# Altium PCB PCB.PcbDoc (part 1 of 2)
Units mm, origin at the board's own origin, x right, y up, seen from the top; angles counter-clockwise.
Board outline 112.5 x 122.5 mm, 4 copper layers (Top Layer, Int1 (GND), Int2 (PWR), Bottom Layer), stack 1.369 mm thick; 231 components, 138 nets, 712 pads, 193 vias.
Unrouted connection lines stored in the file: 145.
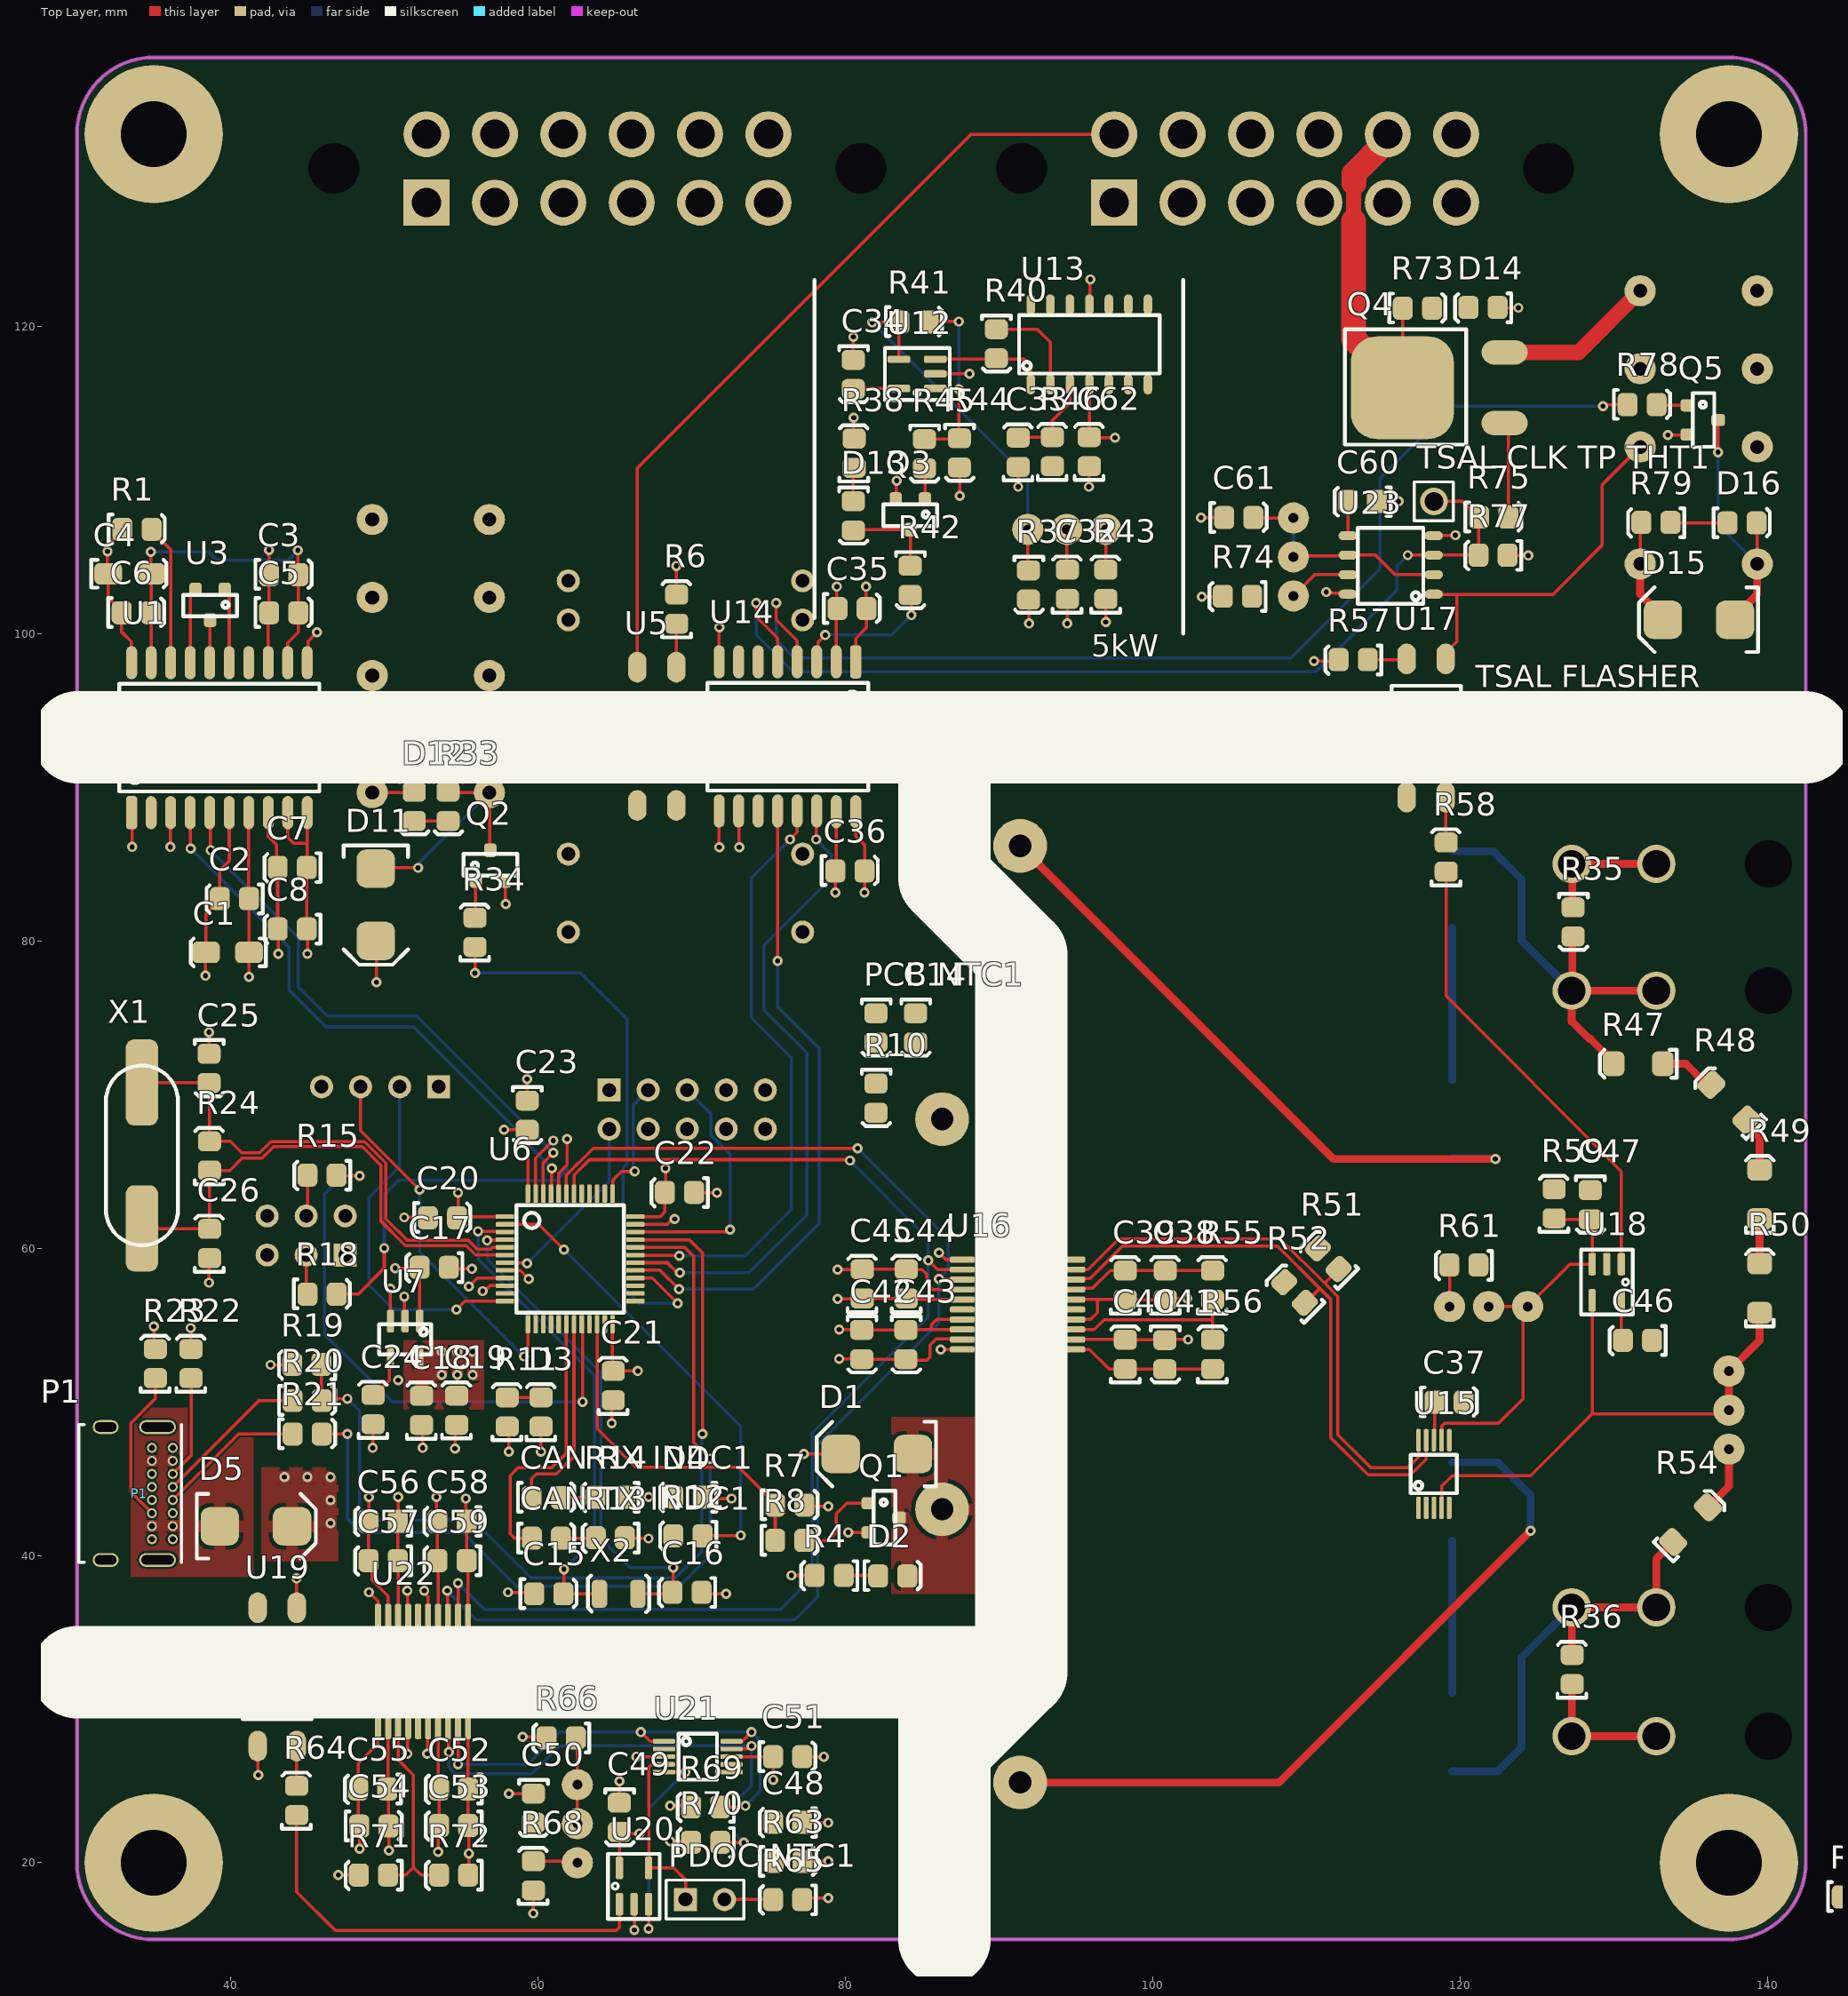
[diagram p0: Top Layer view]
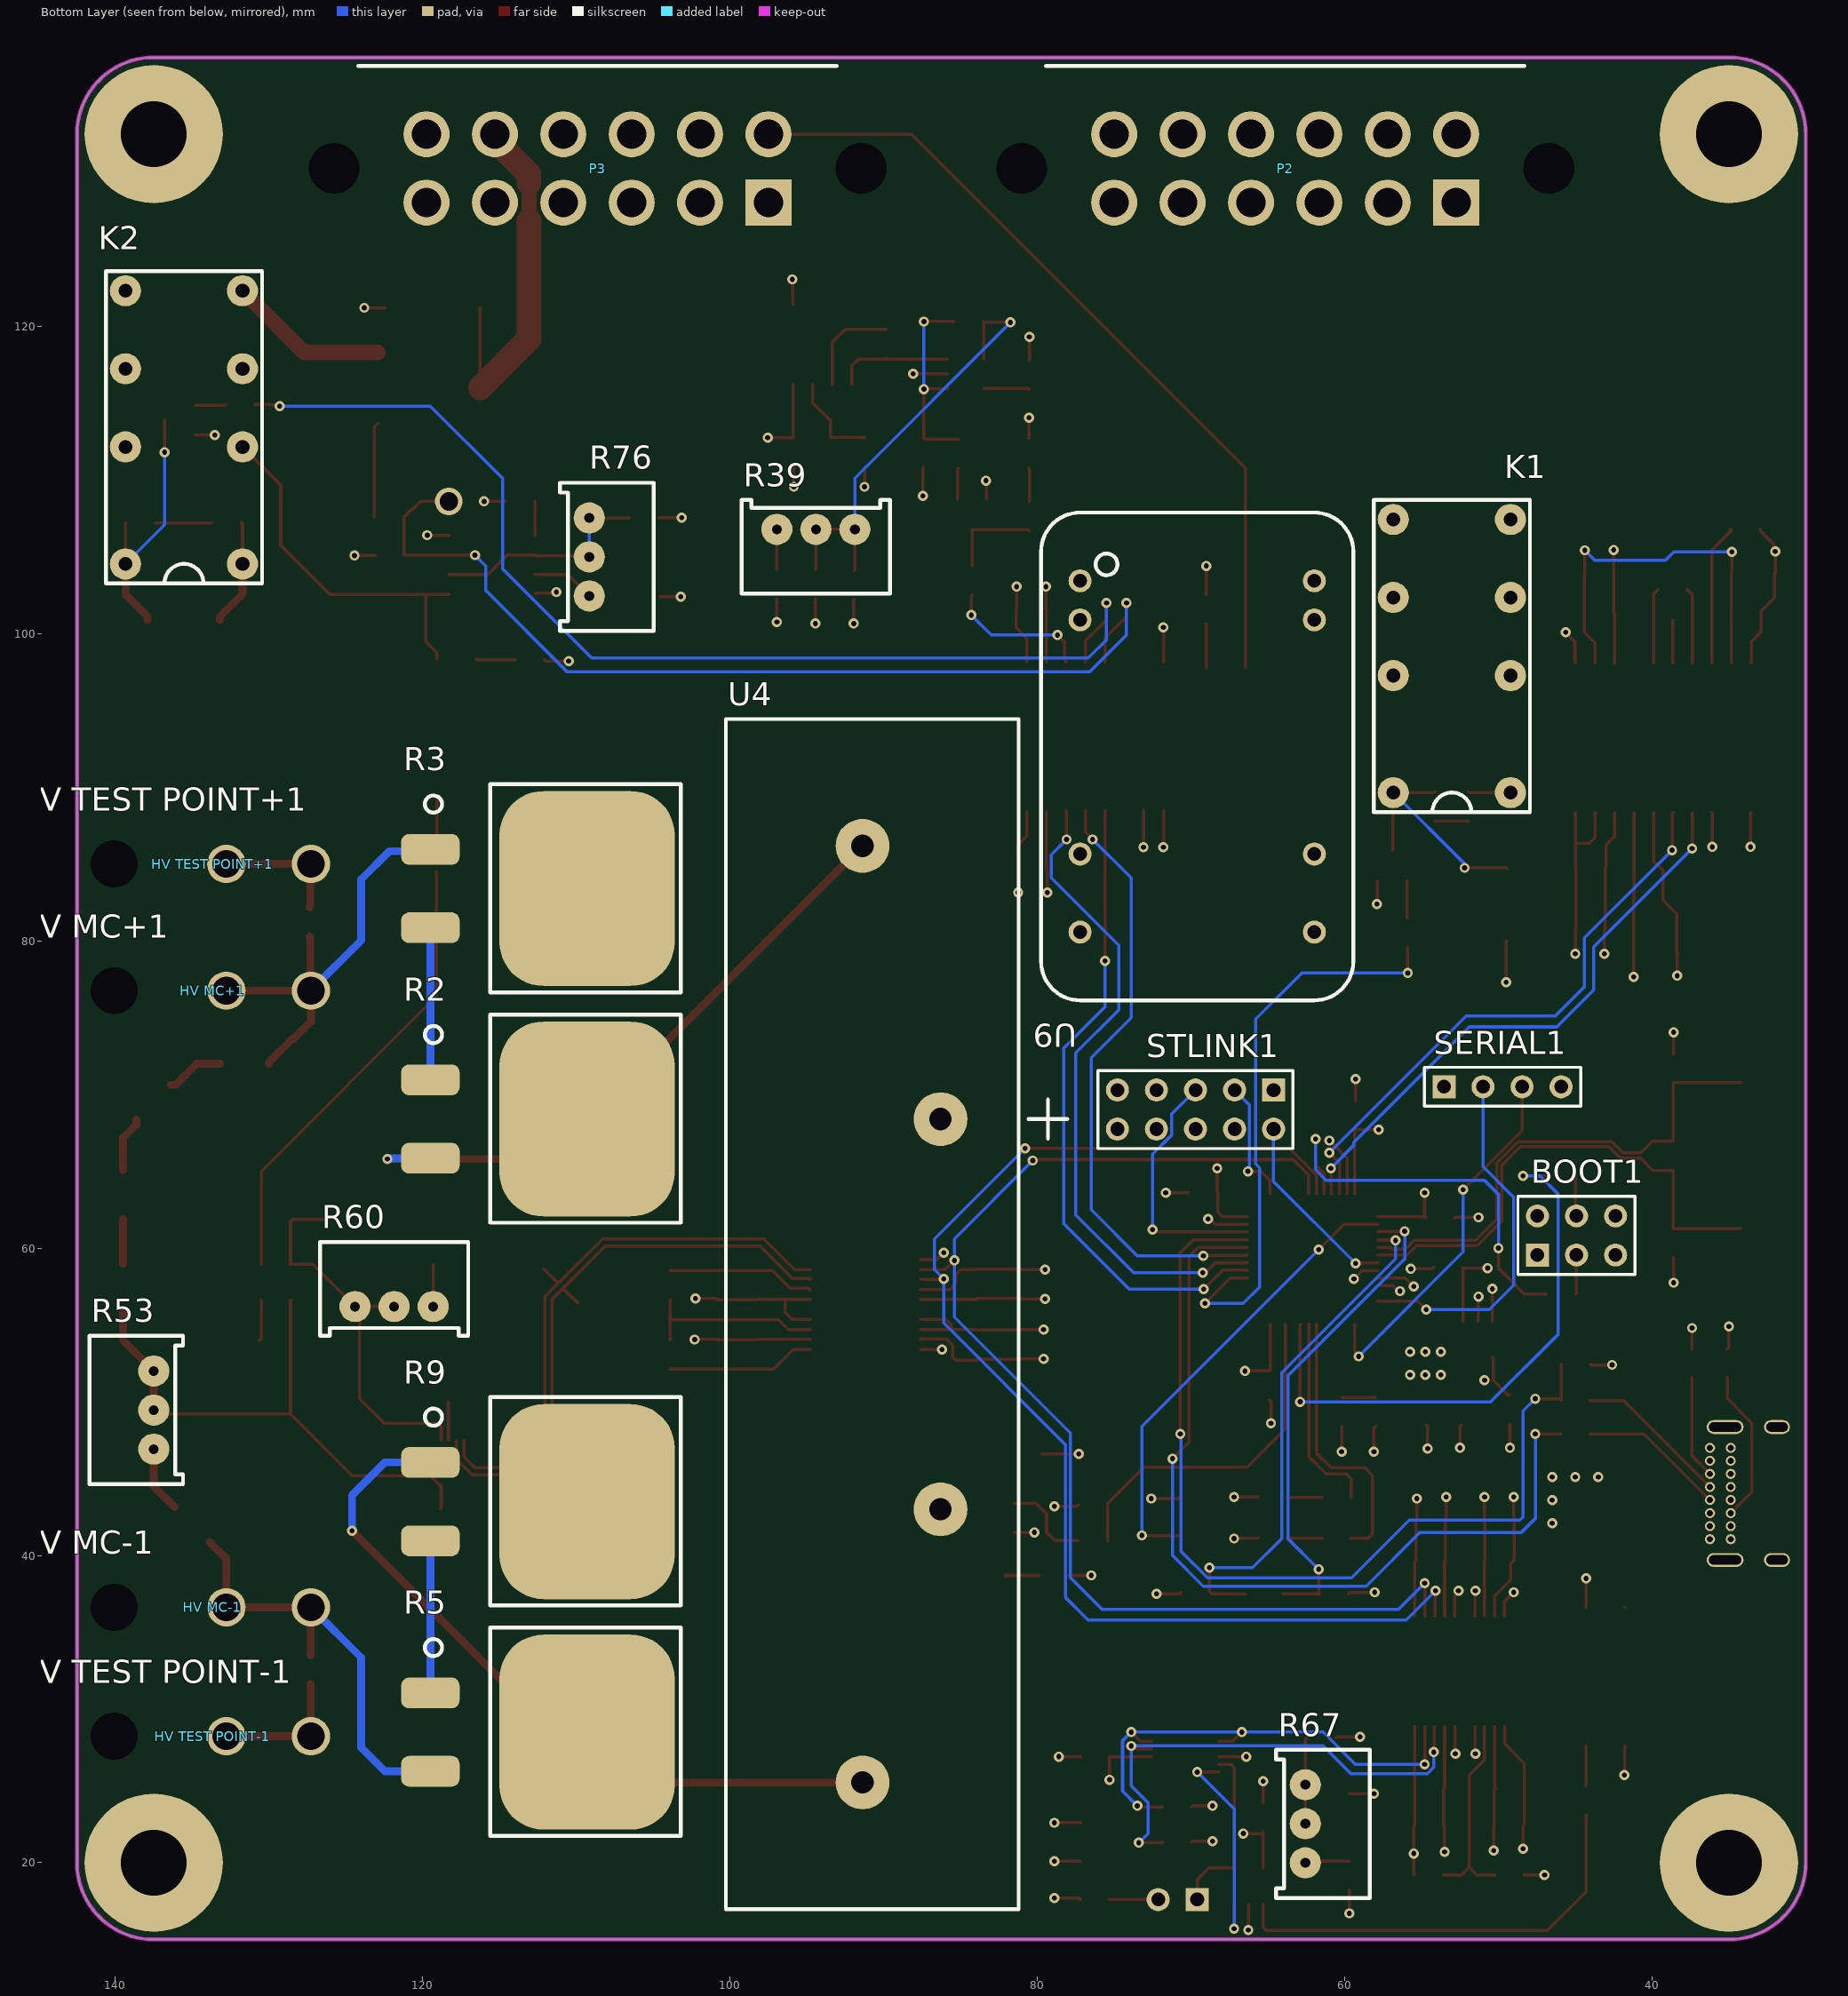
[diagram p1: Bottom Layer view, seen from below]
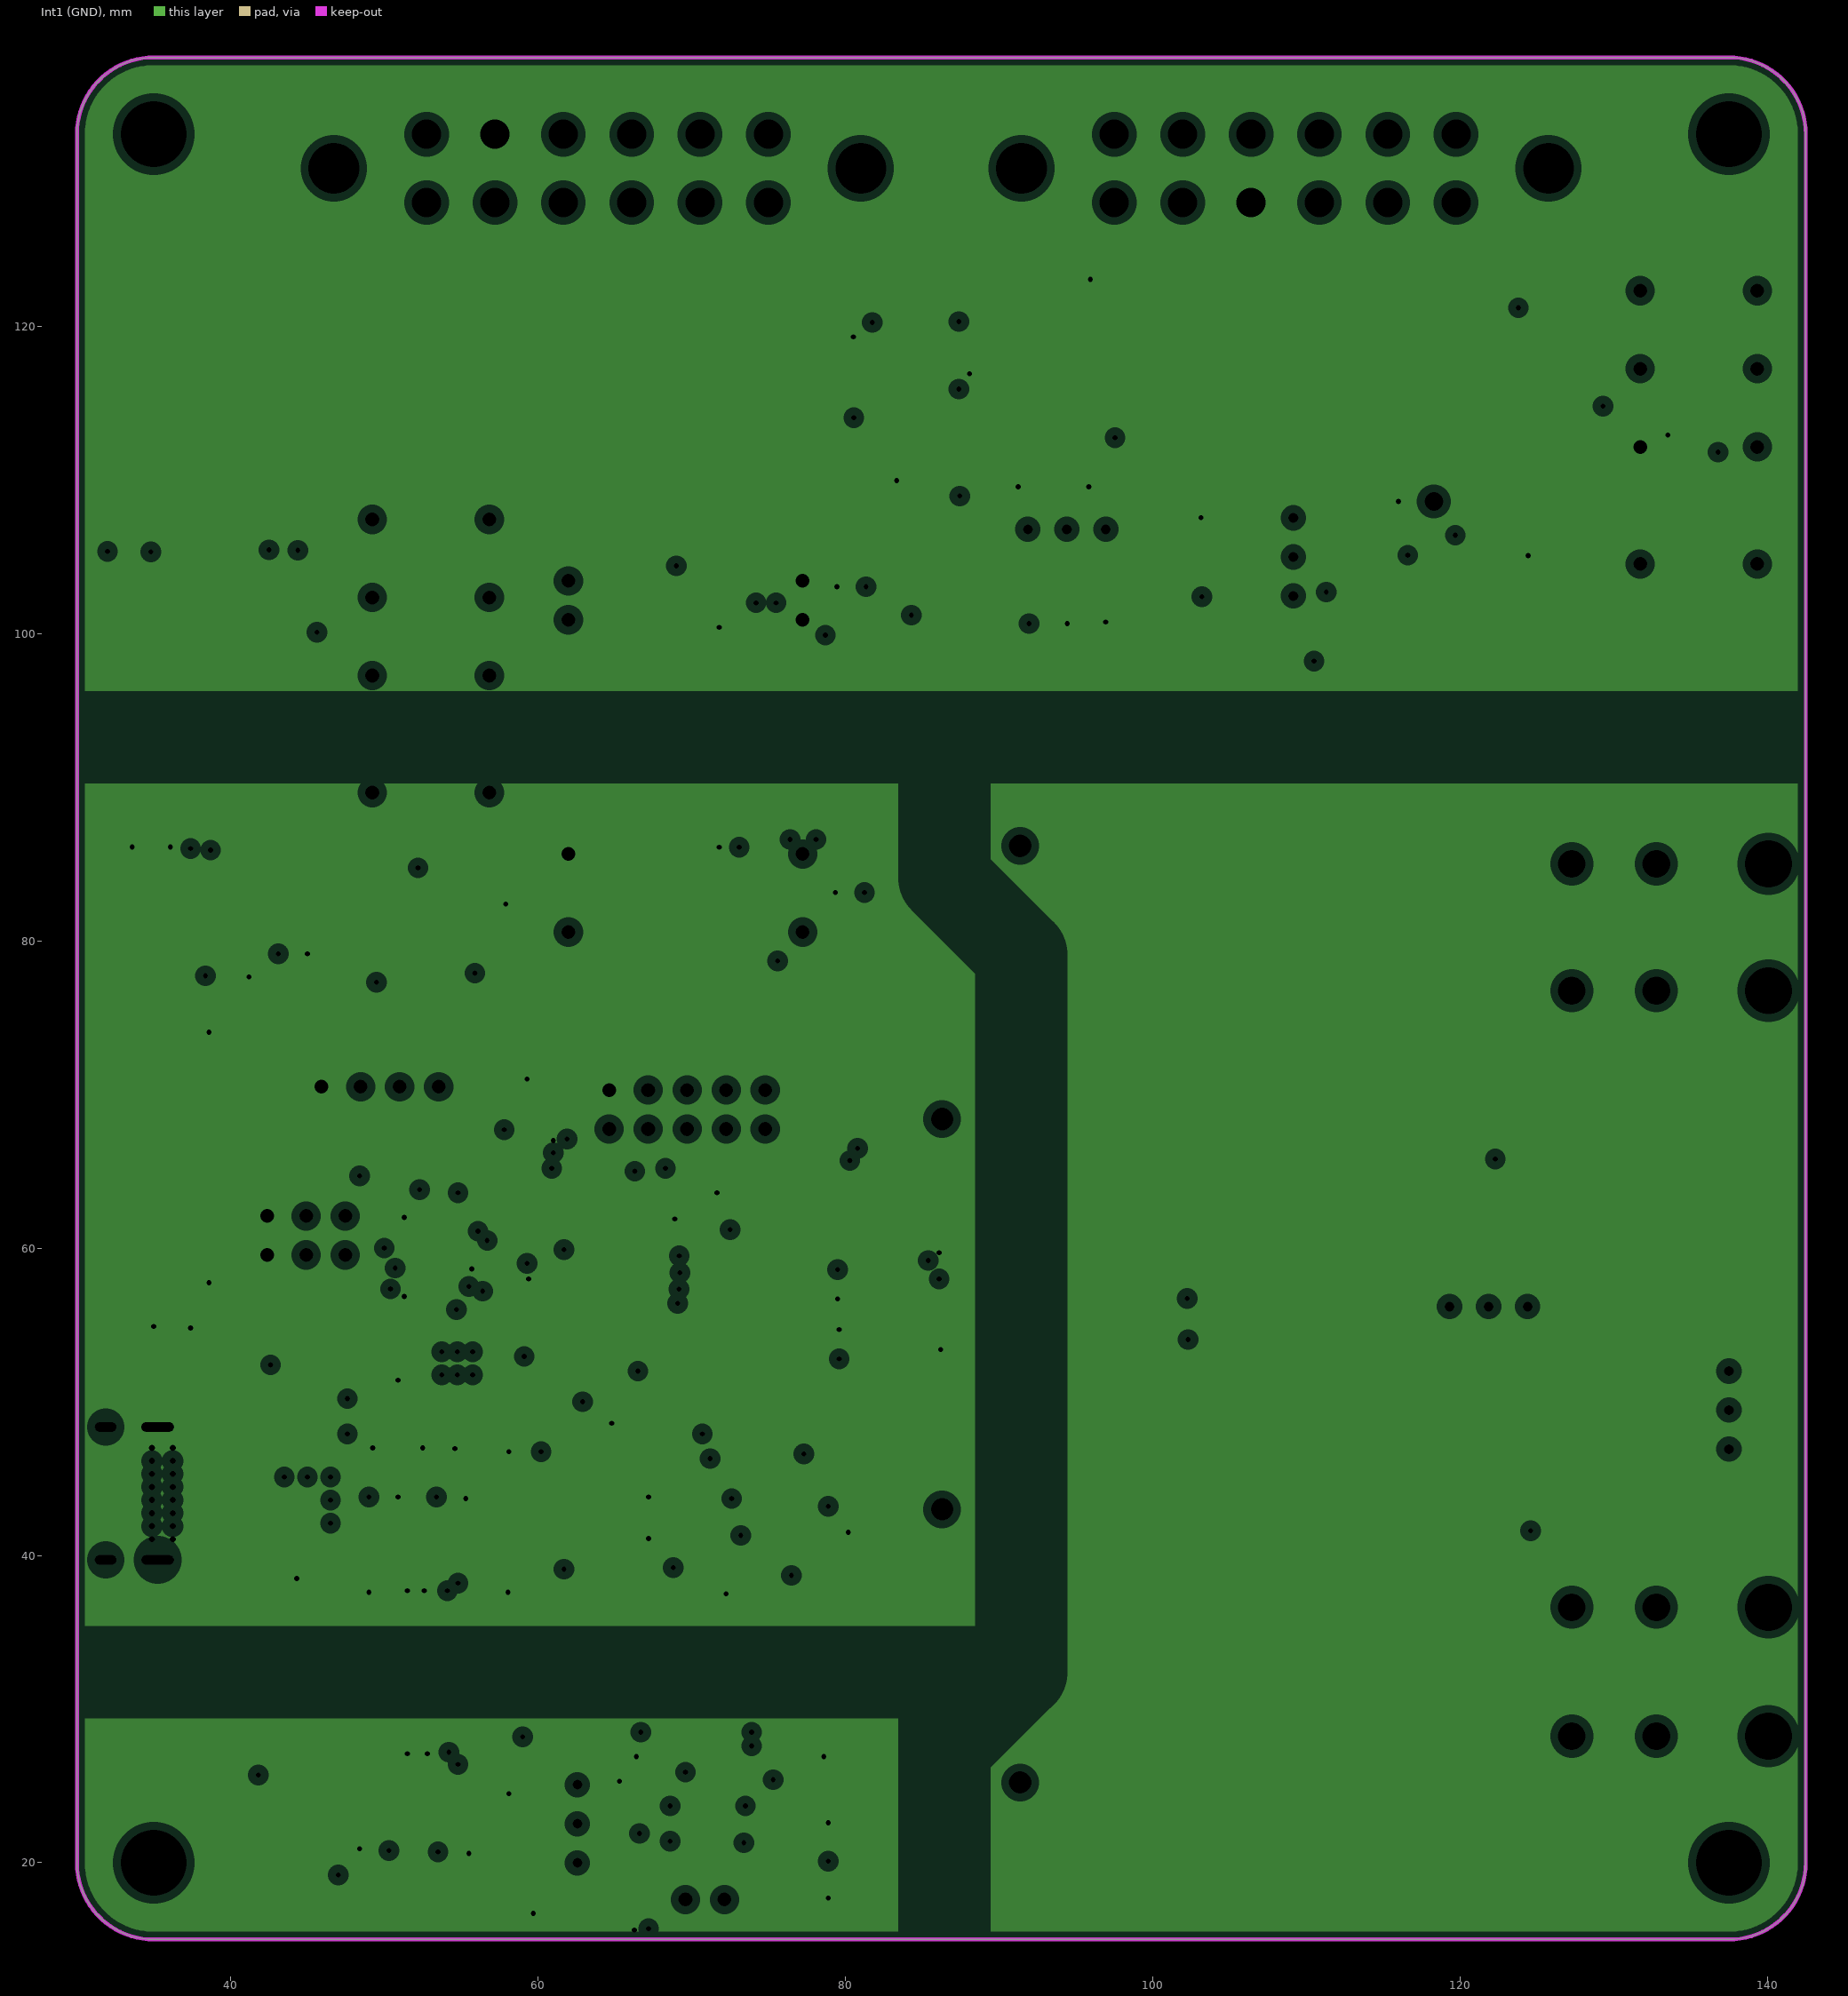
[diagram p2: Int1 (GND), clearances drawn from the general rule]
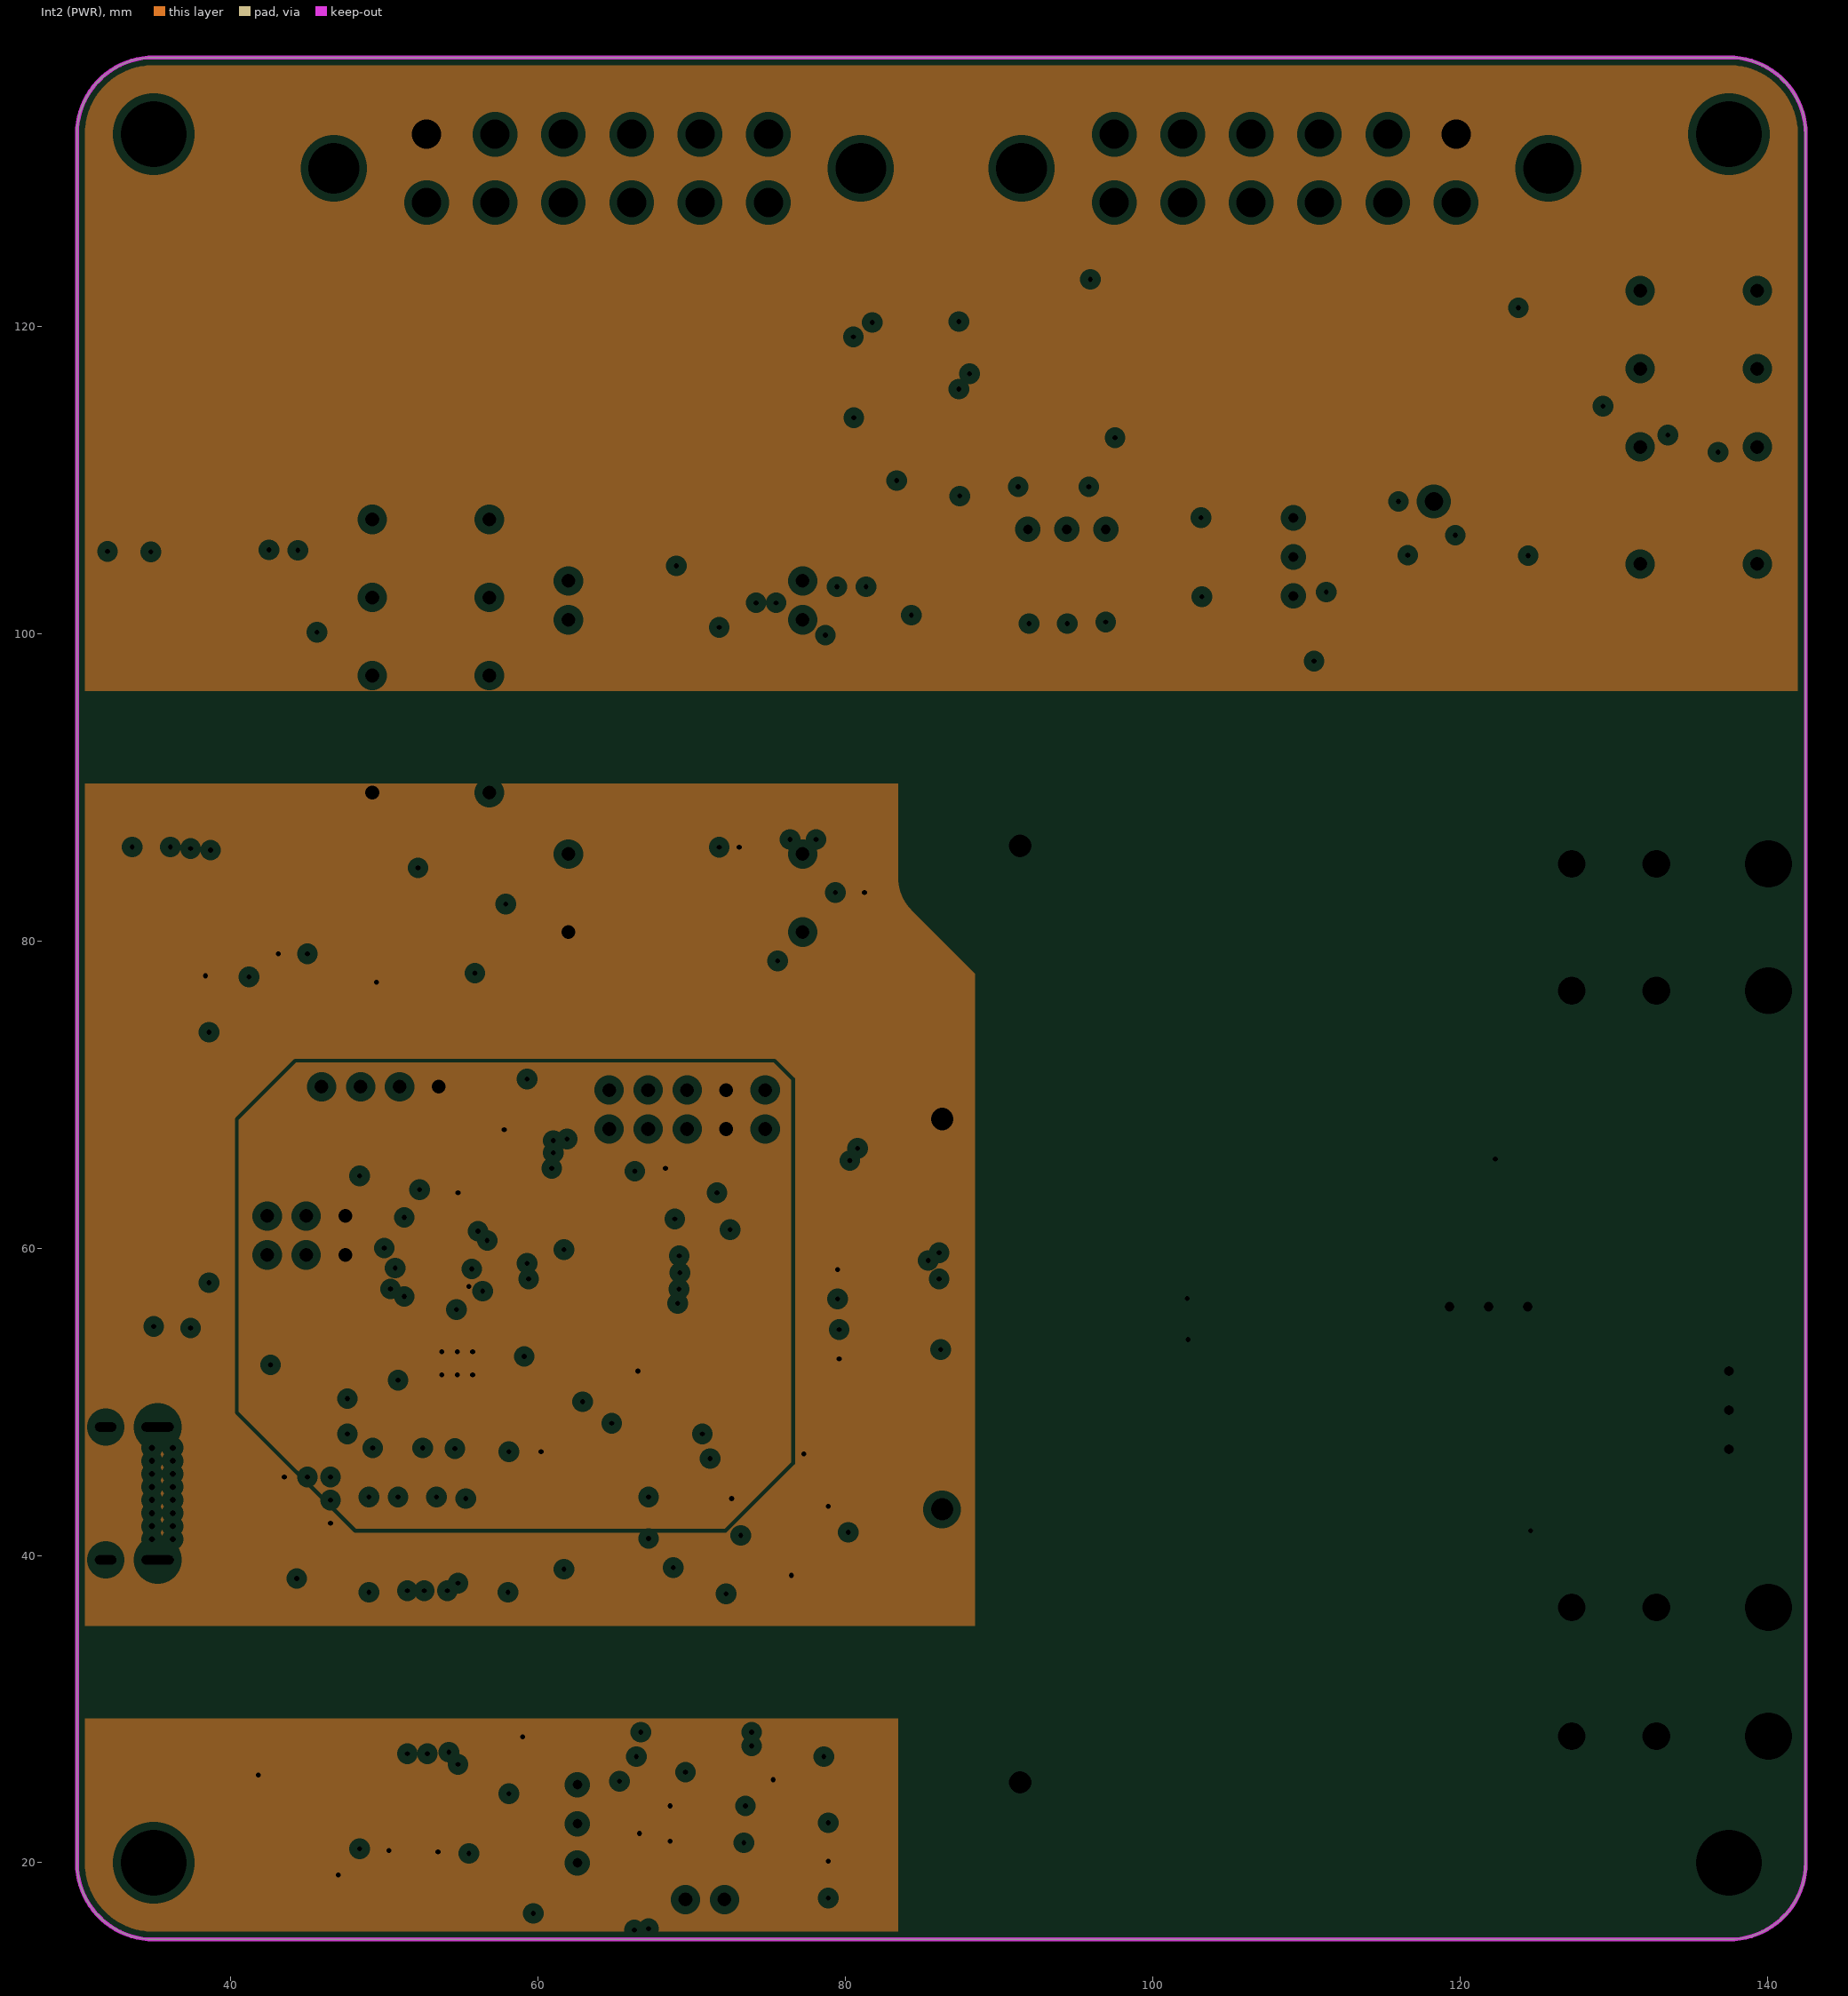
[diagram p3: Int2 (PWR), clearances drawn from the general rule]

## Layer stack, top to bottom
Top Solder: solder mask 0.0254, SM-001, Dk 4
Top Layer: signal copper 0.035
Dielectric 1: prepreg 0.1295, PP-017, Dk 4.3
Dielectric 2: prepreg 0.1295, PP-017, Dk 4.3
Int1 (GND): plane copper 0.035
Dielectric 3: core 0.7112, Core-039, Dk 4.8
Int2 (PWR): plane copper 0.035
Dielectric 4: prepreg 0.1295, PP-017, Dk 4.3
Dielectric 5: prepreg 0.1295, PP-017, Dk 4.3
Bottom Layer: signal copper 0.035
Bottom Solder: solder mask 0.0254, SM-001, Dk 4

## Board outline
30,20 ccw(c35,20) 35,15 137.5,15 ccw(c137.5,20) 142.5,20 142.5,132.5 ccw(c137.5,132.5) 137.5,137.5 35,137.5 ccw(c35,132.5) 30,132.5

## Design rules (kind name [scope] priority, off if disabled: settings)
Clearance [All] p1: gap=0.125 ignorepadtopadclearanceinfootprint=FALSE except(0: Arc-Hole Track-Hole SMDPad-Hole THPad-Hole Via-Hole Fill-Hole Poly-Hole Region-Hole Text-Hole)
Height [All] p1: minheight=0 maxheight=50 prefheight=12.7
PlaneClearance [All] p1: clearance=0.508
PlaneConnect [All] p1: planeconnectstyle=Relief reliefexpansion=0.508 reliefentries=4 reliefconductorwidth=0.8 reliefairgap=0.254
PolygonConnect [All] p1: connectstyle=Relief reliefconductorwidth=0.8 reliefentries=4 polygonreliefangle="90 Angle" airgapwidth=0.254
RoutingVias [All] p1: holewidth=0.711 width=1.27 viastyle="Through Hole" minholewidth=0.203 minwidth=0.254 maxholewidth=0.711 maxwidth=1.27
SolderMaskExpansion [All] p1: expansion=0.102
Width [All] p1: maxlimit=3 minlimit=0.127 preferedwidth=0.5
27 further rules are at their usual default settings.

## Classes and differential pairs
component class U_TSAL: C60 C61 D14 D15 D16 K2 Q4 Q5 R73 R74 R75 R76 R77 R78 R79 "TSAL CLK TP SMD1" "TSAL CLK TP THT1" "TSAL RELAY TP1" U23
component class "U_Safety Loops": D9 D10 D11 D12 "HVD Bypass1" K1 "PDOC Bypass1" Q2 R27 R28 R29 R30 R31 R32 R33 R34 U10 U11
component class "U_Power Supply": 1 2 3 C27 C28 C29 C30 C31 D6 D7 D8 F1 "GLV+ TP1" "GLV- TP1" L1 R25 R26 U8 U9
component class U_PDOC: C48 C49 C50 C51 C52 C53 C54 C55 C56 C57 C58 C59 "PDOC NTC1" "PDOC TEMP AMP OUT TP1" "PDOC TEMP REF TP1" R62 R63 R64 R65 R66 R67 R68 R69 R70 R71 R72 U19 U20 U21 U22
component class U_Microcontroller: BOOT1 C14 C15 C16 C17 C18 C19 C20 C21 C22 C23 C24 C25 C26 "CAN RX INDC1" "CAN TX INDC1" D3 D4 D5 P1 "PCB NTC1" R10 R11 R12 R13 R14 R15 R16 R17 R18 R19 R20 R21 R22 R23 R24 SERIAL1 STLINK1 U6 U7 X1 X2
component class "U_HV Sense": C37 C38 C39 C40 C41 C42 C43 C44 C45 C46 C47 R47 R48 R49 R50 R51 R52 R53 R54 R55 R56 R57 R58 R59 R60 R61 "TSAL REF TP1" U15 U16 U17 U18
component class U_Discharge: D1 D2 "DIS SIG ISO TP1" "DIS SIG TP1" Q1 R2 R3 R4 R5 R6 R7 R8 R9 U4 U5
component class "U_DIgital Isolation": C35 C36 U14
component class U_CAN: C1 C2 C3 C4 C5 C6 C7 C8 C9 C10 C11 C12 C13 "CAN RX TP1" "CAN TERM R1" "CAN TERM R2" "CAN TX TP1" "CANH TP1" "CANL TP1" R1 U1 U2 U3
component class "U_5kW Sensor": 4 5 C32 C33 C34 C62 D13 "POST AMP TP1" PREAMP1 Q3 R37 R38 R39 R40 R41 R42 R43 R44 R45 R46 "SENSOR TP1" U12 U13
component class "Top Level": "HV MC+1" "HV MC-1" "HV TEST POINT+1" "HV TEST POINT-1" P2 P3 R35 R36